# Altium PCB S6.PcbDoc (part 2 of 14) (continued)
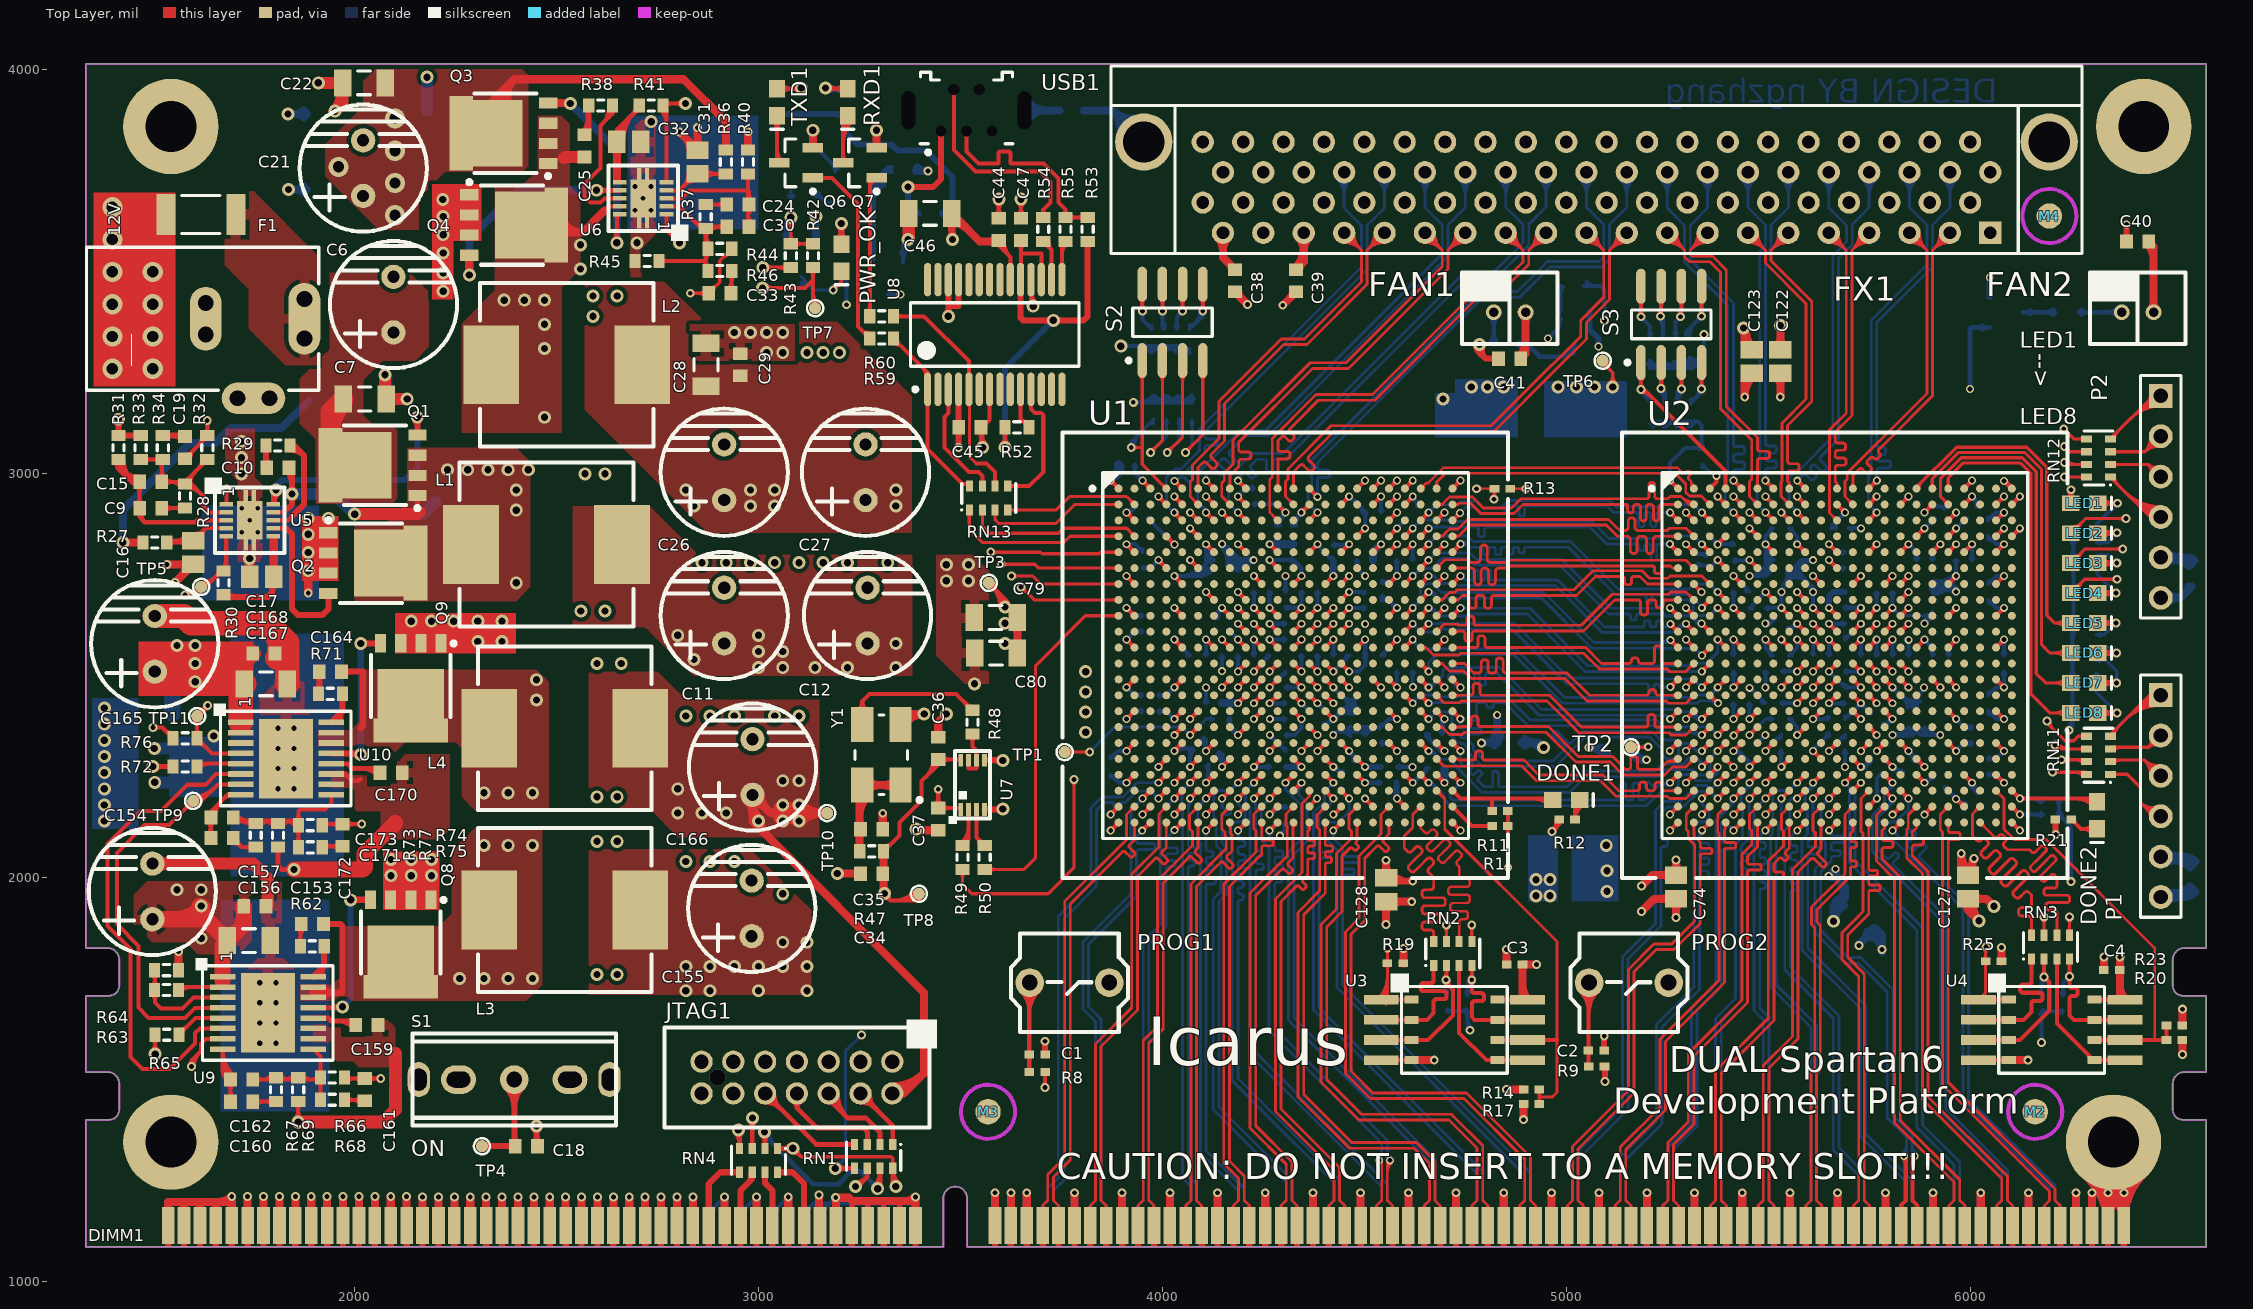
[diagram p0: Top Layer view]
## Footprints (in the part's own frame and the unit in brackets; to place one, negate y for a bottom-side part, rotate by r counter-clockwise, add the part's x,y. Pads: shape width x height; smd on the part's side, far side on the other; paste and mask are expansions set on the pad) (continued)
  Top Layer region: -35.269,-7.99 -34.869,-7.99 -34.869,-7.79 -35.269,-7.79
  Top Layer region: -35.869,-7.79 -36.269,-7.79 -36.269,-7.99 -35.869,-7.99
  Top Layer region: -36.269,-7.99 -35.869,-7.99 -35.869,-7.79 -36.269,-7.79
  Top Layer region: -36.869,-7.79 -37.269,-7.79 -37.269,-7.99 -36.869,-7.99
  Top Layer region: -37.269,-7.99 -36.869,-7.99 -36.869,-7.79 -37.269,-7.79
  Top Layer region: -37.869,-7.79 -38.269,-7.79 -38.269,-7.99 -37.869,-7.99
  Top Layer region: -38.269,-7.99 -37.869,-7.99 -37.869,-7.79 -38.269,-7.79
  Top Layer region: -38.869,-7.79 -39.269,-7.79 -39.269,-7.99 -38.869,-7.99
  Top Layer region: -39.269,-7.99 -38.869,-7.99 -38.869,-7.79 -39.269,-7.79
  Top Layer region: -39.869,-7.79 -40.269,-7.79 -40.269,-7.99 -39.869,-7.99
  Top Layer region: -40.269,-7.99 -39.869,-7.99 -39.869,-7.79 -40.269,-7.79
  Top Layer region: -40.869,-7.789 -41.269,-7.789 -41.269,-7.989 -40.869,-7.989
  Top Layer region: -41.269,-7.989 -40.869,-7.989 -40.869,-7.789 -41.269,-7.789
  Top Layer region: -41.869,-7.79 -42.269,-7.79 -42.269,-7.99 -41.869,-7.99
  Top Layer region: -42.269,-7.99 -41.869,-7.99 -41.869,-7.79 -42.269,-7.79
  Top Layer region: -42.869,-7.79 -43.269,-7.79 -43.269,-7.99 -42.869,-7.99
  Top Layer region: -43.269,-7.99 -42.869,-7.99 -42.869,-7.79 -43.269,-7.79
  Top Layer region: -43.869,-7.79 -44.269,-7.79 -44.269,-7.99 -43.869,-7.99
  Top Layer region: -44.269,-7.99 -43.869,-7.99 -43.869,-7.79 -44.269,-7.79
  Top Layer region: -44.869,-7.79 -45.269,-7.79 -45.269,-7.99 -44.869,-7.99
  Top Layer region: -45.269,-7.99 -44.869,-7.99 -44.869,-7.79 -45.269,-7.79
  Top Layer region: -45.869,-7.79 -46.269,-7.79 -46.269,-7.99 -45.869,-7.99
  Top Layer region: -46.269,-7.99 -45.869,-7.99 -45.869,-7.79 -46.269,-7.79
  Top Layer region: -46.869,-7.79 -47.269,-7.79 -47.269,-7.99 -46.869,-7.99
  Top Layer region: -47.269,-7.99 -46.869,-7.99 -46.869,-7.79 -47.269,-7.79
  Top Layer region: -47.869,-7.79 -48.269,-7.79 -48.269,-7.99 -47.869,-7.99
  Top Layer region: -48.269,-7.99 -47.869,-7.99 -47.869,-7.79 -48.269,-7.79
  Top Layer region: -48.869,-7.79 -49.269,-7.79 -49.269,-7.99 -48.869,-7.99
  Top Layer region: -49.269,-7.99 -48.869,-7.99 -48.869,-7.79 -49.269,-7.79
  Keep-Out Layer lines w0.127: -54.244,22.01 -54.244,10.81 -52.794,10.81 cw(c-52.894,10.06) -52.144,9.96 -52.144,8.46 cw(c-52.794,8.46) -52.794,7.81 -54.244,7.81 -54.244,3.01 -52.794,3.01 cw(c-52.894,2.26) -52.144,2.16 -52.144,0.66 cw(c-52.794,0.66) -52.794,0.01 -54.244,0.01 -54.244,-7.99 -0.319,-7.99 -0.319,-4.94 ; -0.319,-4.94 cw(c0.431,-4.94) 1.181,-4.94 1.181,-7.99 79.106,-7.99 79.106,0.01 77.656,0.01 cw(c77.656,0.66) 77.006,0.66 77.006,2.16 cw(c77.755,2.26) 77.656,3.01 79.106,3.01 79.106,7.81 77.656,7.81 cw(c77.656,8.46) 77.006,8.46 77.006,9.96 cw(c77.756,10.06) 77.656,10.81 79.106,10.81 79.106,22.01
EXBV8V [mm] "Chip Resistor Array, (0603x4); SM; 8 Leads; Body 3.40 x 1.80 mm (LxW max)"
  rect 0.45x0.7 smd: 1(-1.2,-0.75) 2(-0.4,-0.75) 3(0.4,-0.75) 4(1.2,-0.75) 5(1.2,0.75) 6(0.4,0.75) 7(-0.4,0.75) 8(-1.2,0.75)
  silkscreen extent -1.75,-0.9 1.7,0.9
FG484 [mm] "BGA, 484-Leads, Body 23x23mm, Pitch 1mm"
  round 0.5 smd: A1(-10.5,10.5) A2(-9.5,10.5) A3(-8.5,10.5) A4(-7.5,10.5) A5(-6.5,10.5) A6(-5.5,10.5) A7(-4.5,10.5) A8(-3.5,10.5) A9(-2.5,10.5) A10(-1.5,10.5) A11(-0.5,10.5) A12(0.5,10.5) A13(1.5,10.5) A14(2.5,10.5) A15(3.5,10.5) A16(4.5,10.5) A17(5.5,10.5) A18(6.5,10.5) A19(7.5,10.5) A20(8.5,10.5) A21(9.5,10.5) A22(10.5,10.5) AA1(-10.5,-9.5) AA2(-9.5,-9.5) AA3(-8.5,-9.5) AA4(-7.5,-9.5) AA5(-6.5,-9.5) AA6(-5.5,-9.5) AA7(-4.5,-9.5) AA8(-3.5,-9.5) AA9(-2.5,-9.5) AA10(-1.5,-9.5) AA11(-0.5,-9.5) AA12(0.5,-9.5) AA13(1.5,-9.5) AA14(2.5,-9.5) AA15(3.5,-9.5) AA16(4.5,-9.5) AA17(5.5,-9.5) AA18(6.5,-9.5) AA19(7.5,-9.5) AA20(8.5,-9.5) AA21(9.5,-9.5) AA22(10.5,-9.5) AB1(-10.5,-10.5) AB2(-9.5,-10.5) AB3(-8.5,-10.5) AB4(-7.5,-10.5) AB5(-6.5,-10.5) AB6(-5.5,-10.5) AB7(-4.5,-10.5) AB8(-3.5,-10.5) AB9(-2.5,-10.5) AB10(-1.5,-10.5) AB11(-0.5,-10.5) AB12(0.5,-10.5) AB13(1.5,-10.5) AB14(2.5,-10.5) AB15(3.5,-10.5) AB16(4.5,-10.5) AB17(5.5,-10.5) AB18(6.5,-10.5) AB19(7.5,-10.5) AB20(8.5,-10.5) AB21(9.5,-10.5) AB22(10.5,-10.5) B1(-10.5,9.5) B2(-9.5,9.5) B3(-8.5,9.5) B4(-7.5,9.5) B5(-6.5,9.5) B6(-5.5,9.5) B7(-4.5,9.5) B8(-3.5,9.5) B9(-2.5,9.5) B10(-1.5,9.5) B11(-0.5,9.5) B12(0.5,9.5) B13(1.5,9.5) B14(2.5,9.5) B15(3.5,9.5) B16(4.5,9.5) B17(5.5,9.5) B18(6.5,9.5) B19(7.5,9.5) B20(8.5,9.5) B21(9.5,9.5) B22(10.5,9.5) C1(-10.5,8.5) C2(-9.5,8.5) C3(-8.5,8.5) C4(-7.5,8.5) C5(-6.5,8.5) C6(-5.5,8.5) C7(-4.5,8.5) C8(-3.5,8.5) C9(-2.5,8.5) C10(-1.5,8.5) C11(-0.5,8.5) C12(0.5,8.5) C13(1.5,8.5) C14(2.5,8.5) C15(3.5,8.5) C16(4.5,8.5) C17(5.5,8.5) C18(6.5,8.5) C19(7.5,8.5) C20(8.5,8.5) C21(9.5,8.5) C22(10.5,8.5) D1(-10.5,7.5) D2(-9.5,7.5) D3(-8.5,7.5) D4(-7.5,7.5) D5(-6.5,7.5) D6(-5.5,7.5) D7(-4.5,7.5) D8(-3.5,7.5) D9(-2.5,7.5) D10(-1.5,7.5) D11(-0.5,7.5) D12(0.5,7.5) D13(1.5,7.5) D14(2.5,7.5) D15(3.5,7.5) D16(4.5,7.5) D17(5.5,7.5) D18(6.5,7.5) D19(7.5,7.5) D20(8.5,7.5) D21(9.5,7.5) D22(10.5,7.5) E1(-10.5,6.5) E2(-9.5,6.5) E3(-8.5,6.5) E4(-7.5,6.5) E5(-6.5,6.5) E6(-5.5,6.5) E7(-4.5,6.5) E8(-3.5,6.5) E9(-2.5,6.5) E10(-1.5,6.5) E11(-0.5,6.5) E12(0.5,6.5) E13(1.5,6.5) E14(2.5,6.5) E15(3.5,6.5) E16(4.5,6.5) E17(5.5,6.5) E18(6.5,6.5) E19(7.5,6.5) E20(8.5,6.5) E21(9.5,6.5) E22(10.5,6.5) F1(-10.5,5.5) F2(-9.5,5.5) F3(-8.5,5.5) F4(-7.5,5.5) F5(-6.5,5.5) F6(-5.5,5.5) F7(-4.5,5.5) F8(-3.5,5.5) F9(-2.5,5.5) F10(-1.5,5.5) F11(-0.5,5.5) F12(0.5,5.5) F13(1.5,5.5) F14(2.5,5.5) F15(3.5,5.5) F16(4.5,5.5) F17(5.5,5.5) F18(6.5,5.5) F19(7.5,5.5) F20(8.5,5.5) F21(9.5,5.5) F22(10.5,5.5) G1(-10.5,4.5) G2(-9.5,4.5) G3(-8.5,4.5) G4(-7.5,4.5) G5(-6.5,4.5) G6(-5.5,4.5) G7(-4.5,4.5) G8(-3.5,4.5) G9(-2.5,4.5) G10(-1.5,4.5) G11(-0.5,4.5) G12(0.5,4.5) G13(1.5,4.5) G14(2.5,4.5) G15(3.5,4.5) G16(4.5,4.5) G17(5.5,4.5) G18(6.5,4.5) G19(7.5,4.5) G20(8.5,4.5) G21(9.5,4.5) G22(10.5,4.5) H1(-10.5,3.5) H2(-9.5,3.5) H3(-8.5,3.5) H4(-7.5,3.5) H5(-6.5,3.5) H6(-5.5,3.5) H7(-4.5,3.5) H8(-3.5,3.5) H9(-2.5,3.5) H10(-1.5,3.5) H11(-0.5,3.5) H12(0.5,3.5) H13(1.5,3.5) H14(2.5,3.5) H15(3.5,3.5) H16(4.5,3.5) H17(5.5,3.5) H18(6.5,3.5) H19(7.5,3.5) H20(8.5,3.5) H21(9.5,3.5) H22(10.5,3.5) J1(-10.5,2.5) J2(-9.5,2.5) J3(-8.5,2.5) J4(-7.5,2.5) J5(-6.5,2.5) J6(-5.5,2.5) J7(-4.5,2.5) J8(-3.5,2.5) J9(-2.5,2.5) J10(-1.5,2.5) J11(-0.5,2.5) J12(0.5,2.5) J13(1.5,2.5) J14(2.5,2.5) J15(3.5,2.5) J16(4.5,2.5) J17(5.5,2.5) J18(6.5,2.5) J19(7.5,2.5) J20(8.5,2.5) J21(9.5,2.5) J22(10.5,2.5) K1(-10.5,1.5) K2(-9.5,1.5) K3(-8.5,1.5) K4(-7.5,1.5) K5(-6.5,1.5) K6(-5.5,1.5) K7(-4.5,1.5) K8(-3.5,1.5) K9(-2.5,1.5) K10(-1.5,1.5) K11(-0.5,1.5) K12(0.5,1.5) K13(1.5,1.5) K14(2.5,1.5) K15(3.5,1.5) K16(4.5,1.5) K17(5.5,1.5) K18(6.5,1.5) K19(7.5,1.5) K20(8.5,1.5) K21(9.5,1.5) K22(10.5,1.5) L1(-10.5,0.5) L2(-9.5,0.5) L3(-8.5,0.5) L4(-7.5,0.5) L5(-6.5,0.5) L6(-5.5,0.5) L7(-4.5,0.5) L8(-3.5,0.5) L9(-2.5,0.5) L10(-1.5,0.5) L11(-0.5,0.5) L12(0.5,0.5) L13(1.5,0.5) L14(2.5,0.5) L15(3.5,0.5) L16(4.5,0.5) L17(5.5,0.5) L18(6.5,0.5) L19(7.5,0.5) L20(8.5,0.5) L21(9.5,0.5) L22(10.5,0.5) M1(-10.5,-0.5) M2(-9.5,-0.5) M3(-8.5,-0.5) M4(-7.5,-0.5) M5(-6.5,-0.5) M6(-5.5,-0.5) M7(-4.5,-0.5) M8(-3.5,-0.5) M9(-2.5,-0.5) M10(-1.5,-0.5) M11(-0.5,-0.5) M12(0.5,-0.5) M13(1.5,-0.5) M14(2.5,-0.5) M15(3.5,-0.5) M16(4.5,-0.5) M17(5.5,-0.5) M18(6.5,-0.5) M19(7.5,-0.5) M20(8.5,-0.5) M21(9.5,-0.5) M22(10.5,-0.5) N1(-10.5,-1.5) N2(-9.5,-1.5) N3(-8.5,-1.5) N4(-7.5,-1.5) N5(-6.5,-1.5) N6(-5.5,-1.5) N7(-4.5,-1.5) N8(-3.5,-1.5) N9(-2.5,-1.5) N10(-1.5,-1.5) N11(-0.5,-1.5) N12(0.5,-1.5) N13(1.5,-1.5) N14(2.5,-1.5) N15(3.5,-1.5) N16(4.5,-1.5) N17(5.5,-1.5) N18(6.5,-1.5) N19(7.5,-1.5) N20(8.5,-1.5) N21(9.5,-1.5) N22(10.5,-1.5) P1(-10.5,-2.5) P2(-9.5,-2.5) P3(-8.5,-2.5) P4(-7.5,-2.5) P5(-6.5,-2.5) P6(-5.5,-2.5) P7(-4.5,-2.5) P8(-3.5,-2.5) P9(-2.5,-2.5) P10(-1.5,-2.5) P11(-0.5,-2.5) P12(0.5,-2.5) P13(1.5,-2.5) P14(2.5,-2.5) P15(3.5,-2.5) P16(4.5,-2.5) P17(5.5,-2.5) P18(6.5,-2.5) P19(7.5,-2.5) P20(8.5,-2.5) P21(9.5,-2.5) P22(10.5,-2.5) R1(-10.5,-3.5) R2(-9.5,-3.5) R3(-8.5,-3.5) R4(-7.5,-3.5) R5(-6.5,-3.5) R6(-5.5,-3.5) R7(-4.5,-3.5) R8(-3.5,-3.5) R9(-2.5,-3.5) R10(-1.5,-3.5) R11(-0.5,-3.5) R12(0.5,-3.5) R13(1.5,-3.5) R14(2.5,-3.5) R15(3.5,-3.5) R16(4.5,-3.5) R17(5.5,-3.5) R18(6.5,-3.5) R19(7.5,-3.5) R20(8.5,-3.5) R21(9.5,-3.5) R22(10.5,-3.5) T1(-10.5,-4.5) T2(-9.5,-4.5) T3(-8.5,-4.5) T4(-7.5,-4.5) T5(-6.5,-4.5) T6(-5.5,-4.5) T7(-4.5,-4.5) T8(-3.5,-4.5) T9(-2.5,-4.5) T10(-1.5,-4.5) T11(-0.5,-4.5) T12(0.5,-4.5) T13(1.5,-4.5) T14(2.5,-4.5) T15(3.5,-4.5) T16(4.5,-4.5) T17(5.5,-4.5) T18(6.5,-4.5) T19(7.5,-4.5) T20(8.5,-4.5) T21(9.5,-4.5) T22(10.5,-4.5) U1(-10.5,-5.5) U2(-9.5,-5.5) U3(-8.5,-5.5) U4(-7.5,-5.5) U5(-6.5,-5.5) U6(-5.5,-5.5) U7(-4.5,-5.5) U8(-3.5,-5.5) U9(-2.5,-5.5) U10(-1.5,-5.5) U11(-0.5,-5.5) U12(0.5,-5.5) U13(1.5,-5.5) U14(2.5,-5.5) U15(3.5,-5.5) U16(4.5,-5.5) U17(5.5,-5.5) U18(6.5,-5.5) U19(7.5,-5.5) U20(8.5,-5.5) U21(9.5,-5.5) U22(10.5,-5.5) V1(-10.5,-6.5) V2(-9.5,-6.5) V3(-8.5,-6.5) V4(-7.5,-6.5) V5(-6.5,-6.5) V6(-5.5,-6.5) V7(-4.5,-6.5) V8(-3.5,-6.5) V9(-2.5,-6.5) V10(-1.5,-6.5) V11(-0.5,-6.5) V12(0.5,-6.5) V13(1.5,-6.5) V14(2.5,-6.5) V15(3.5,-6.5) V16(4.5,-6.5) V17(5.5,-6.5) V18(6.5,-6.5) V19(7.5,-6.5) V20(8.5,-6.5) V21(9.5,-6.5) V22(10.5,-6.5) W1(-10.5,-7.5) W2(-9.5,-7.5) W3(-8.5,-7.5) W4(-7.5,-7.5) W5(-6.5,-7.5) W6(-5.5,-7.5) W7(-4.5,-7.5) W8(-3.5,-7.5) W9(-2.5,-7.5) W10(-1.5,-7.5) W11(-0.5,-7.5) W12(0.5,-7.5) W13(1.5,-7.5) W14(2.5,-7.5) W15(3.5,-7.5) W16(4.5,-7.5) W17(5.5,-7.5) W18(6.5,-7.5) W19(7.5,-7.5) W20(8.5,-7.5) W21(9.5,-7.5) W22(10.5,-7.5) Y1(-10.5,-8.5) Y2(-9.5,-8.5) Y3(-8.5,-8.5) Y4(-7.5,-8.5) Y5(-6.5,-8.5) Y6(-5.5,-8.5) Y7(-4.5,-8.5) Y8(-3.5,-8.5) Y9(-2.5,-8.5) Y10(-1.5,-8.5) Y11(-0.5,-8.5) Y12(0.5,-8.5) Y13(1.5,-8.5) Y14(2.5,-8.5) Y15(3.5,-8.5) Y16(4.5,-8.5) Y17(5.5,-8.5) Y18(6.5,-8.5) Y19(7.5,-8.5) Y20(8.5,-8.5) Y21(9.5,-8.5) Y22(10.5,-8.5)
  silkscreen extent -12.27,-11.5 11.5,11.5, body extent -11.5,-11.5 11.5,11.5, height 2.6
HDR1X6 [mm] "Connector; Header; 6 Position"
  rect 1.5x1.5 hole 0.9: 1(0,0)
  round 1.5 hole 0.9: 2(2.54,0) 3(5.08,0) 4(7.62,0) 5(10.16,0) 6(12.7,0)
  silkscreen extent -1.27,-1.27 13.97,1.27
IHLP4040 [mm]
  rect 3.5x4.95 smd: 1(-4.75,0) 2(4.75,0)
  silkscreen extent -5.46,-5.15 5.46,5.15
J1-0603 [mm] "Chip Resistor, Body 1.6x0.8mm, IPC High Density"
  rect 0.7x0.9 smd: 1(-0.75,0) 2(0.75,0)
  silkscreen extent -0.2,-0.35 0.2,0.35, body extent -0.85,-0.48 0.85,0.48, height 0.9
KLD-0202 [mm] "DC Power Jack, 2.5mm, KLD Series, PCB Mount"
  oval 2x4.5 all layers, no hole: 1(13.7,0)
  round 1.5 hole 1: 1A(13.7,-1.25) 1B(13.7,1.25) 2A(7.5,-1) 2B(7.5,1) 3A(9.5,-5) 3B(11.5,-5)
  oval 2x4 all layers, no hole: 2(7.5,0)
  oval 4x2 all layers, no hole: 3(10.5,-5)
  silkscreen extent 0,-4.5 14.6,4.5
LFPAK [mm]
  rect 1.15x0.7 smd: 1(-2.801,1.88) 2(-2.801,0.61) 3(-2.801,-0.66) 4(-2.801,-1.93)
  rect 3.1x4.2 smd: 5(0.374,-0.025)
  rect 1.5x4.7 smd: 5(2.674,-0.025)
  silkscreen extent -2.92,-2.53 1.82,2.79
MASK#1 [mm]
  round 1.6 smd: 0(0,0)
MASK#2 [mm]
  round 1.6 smd: 0(0,0)
  Keep-Out Layer circle w0.254: c0,0 r1.7
MOLEX14P [mm]
  round 1.4 hole 0.9: 1(-6,-1) 2(-6,1) 3(-4,-1) 4(-4,1) 5(-2,-1) 6(-2,1) 7(0,-1) 8(0,1) 9(2,-1) 10(2,1) 11(4,-1) 12(4,1) 13(6,-1) 14(6,1)
  silkscreen extent -8.81,-3.66 8.33,3.15
SMA [mm] "DO-214-AC/SMA; 2 C-Bend Leads; Body 5 x 2.7 mm, inc. leads (LxW)"
  rect 2.4x1.8 smd: 1(-2.05,0) 2(2.05,0)
  silkscreen extent -3.65,-1.3 3.95,1.3
SMX2 [mm]
  rect 2.2x1.4 smd: 1(-1.925,-1.175) 2(1.875,-1.175) 3(1.875,1.225) 4(-1.925,1.225)
  silkscreen extent -2.99,-2.51 2.47,1.68
SO8_N [mm] "SOIC, 8-Leads, Body 4.9x3.9mm, Pitch 1.27mm, IPC Medium Density"
  oval 2.2x0.6 smd: 1(-2.4,1.905) 2(-2.4,0.635) 3(-2.4,-0.635) 4(-2.4,-1.905) 5(2.4,-1.905) 6(2.4,-0.635) 7(2.4,0.635) 8(2.4,1.905)
  silkscreen extent -2.52,-2.5 0.9,2.88, body extent -2,-2.5 2,2.5, height 1.75
SON10 [mm]
  rect 0.85x0.28 smd paste+0.07 mask+0.07: 1(-1.475,1) 2(-1.475,0.5) 3(-1.475,0) 4(-1.475,-0.5) 5(-1.475,-1) 6(1.475,-1) 7(1.475,-0.5) 8(1.475,0) 9(1.475,0.5) 10(1.475,1)
  rect 0.28x0.7 smd paste+0 mask+0: 11(-0.25,-1.549) 11(-0.25,1.549) 11(0.25,-1.549) 11(0.25,1.549)
  rect 1.6x2.4 smd paste+0 mask+0: 11(0,0)
  silkscreen extent -2.84,-2.06 2.18,2.69
SOT23_N [mm] "SOT23, 3-Leads, Body 2.9x1.3mm, Pitch 0.95mm, Lead Span 2.3mm, IPC Medium Density"
  rect 1.3x0.6 smd: 1(-1.05,0.95) 2(-1.05,-0.95) 3(1.05,0)
  silkscreen extent -1.17,-1.5 0.7,1.92, body extent -0.7,-1.5 0.7,1.5, height 1.1
SOT765-1 [mm]
  rect 0.3x0.8 smd: 1(-0.75,-1.55) 2(-0.25,-1.55) 3(0.25,-1.55) 4(0.75,-1.55) 5(0.75,1.55) 6(0.25,1.55) 7(-0.25,1.55) 8(-0.75,1.55)
  silkscreen extent -1.52,-2.46 1.1,2.13
SSOP28_N [mm] "SOP, 28-Leads, Body 10.2x5.3mm, Pitch 0.65mm, IPC Medium Density"
  oval 2.1x0.45 smd: 1(-3.45,4.225) 2(-3.45,3.575) 3(-3.45,2.925) 4(-3.45,2.275) 5(-3.45,1.625) 6(-3.45,0.975) 7(-3.45,0.325) 8(-3.45,-0.325) 9(-3.45,-0.975) 10(-3.45,-1.625) 11(-3.45,-2.275) 12(-3.45,-2.925) 13(-3.45,-3.575) 14(-3.45,-4.225) 15(3.45,-4.225) 16(3.45,-3.575) 17(3.45,-2.925) 18(3.45,-2.275) 19(3.45,-1.625) 20(3.45,-0.975) 21(3.45,-0.325) 22(3.45,0.325) 23(3.45,0.975) 24(3.45,1.625) 25(3.45,2.275) 26(3.45,2.925) 27(3.45,3.575) 28(3.45,4.225)
  silkscreen extent -3.57,-5.3 2,5.3, body extent -2.7,-5.3 2.7,5.3, height 1.99
SW_2 [mm]
  round 1.8 hole 1: 1(-2.5,0) 2(2.5,0)
  silkscreen extent -3.68,-3.1 3.68,3.1
SW_3 [mm]
  oval 2.2x1.8 hole 1 slot 1.5 at 0 deg: 1(-3.5,0) 3(3.5,0)
  round 1.8 hole 1: 2(0,0)
  oval 1.4x2.2 hole 1 slot 1.4 at 90 deg: 4(-6,0) 5(6,0)
  silkscreen extent -6.4,-2.9 6.4,2.9
TP [mil]
  round 30 smd paste+0 mask+4: 1(0,0)
  silkscreen extent -20,-20 20,20
TSSOP16_PP [mm]
  rect 1.6x0.35 smd: 1(-2.85,2.275) 2(-2.85,1.625) 3(-2.85,0.975) 4(-2.85,0.325) 5(-2.85,-0.325) 6(-2.85,-0.975) 7(-2.85,-1.625) 8(-2.85,-2.275) 9(2.85,-2.275) 10(2.85,-1.625) 11(2.85,-0.975) 12(2.85,-0.325) 13(2.85,0.325) 14(2.85,0.975) 15(2.85,1.625) 16(2.85,2.275)
  rect 3.4x5 smd paste-0.254 mask-0.254: 17(0,0)
  silkscreen extent -4.55,-2.97 4.09,3.45, body extent -2.25,-2.55 2.25,2.55, height 1.2
WSON6X5#1 [mm]
  rect 0.5x0.889 smd: 1(-1.905,-2.701) 2(-0.635,-2.701) 3(0.635,-2.701) 4(1.905,-2.701) 5(1.905,2.701) 6(0.635,2.701) 7(-0.635,2.701) 8(-1.905,2.701)
  rect 0.6x2.2 smd: 1(-1.905,-4.6) 2(-0.635,-4.6) 3(0.635,-4.6) 4(1.905,-4.6) 5(1.905,4.6) 6(0.635,4.6) 7(-0.635,4.6) 8(-1.905,4.6)
  Top Layer lines w0.254: 1.905,-4.6 1.905,-2.701 1.905,-2.625 ; 0.635,-4.6 0.635,-2.701 0.635,-2.625 ; -0.635,-4.6 -0.635,-2.701 -0.635,-2.625 ; -1.905,-4.6 -1.905,-2.625 ; 1.905,2.625 1.905,2.701 1.905,4.6 ; 0.635,2.625 0.635,4.6 ; -0.635,2.625 -0.635,2.701 -0.635,4.6 ; -1.905,2.625 -1.905,2.701 -1.905,4.6
  silkscreen extent -3.56,-4.01 2.73,3.33
WSON6X5#2 [mm]
  rect 0.5x0.889 smd: 1(-1.905,-2.701) 2(-0.635,-2.701) 3(0.635,-2.701) 4(1.905,-2.701) 5(1.905,2.701) 6(0.635,2.701) 7(-0.635,2.701) 8(-1.905,2.701)
  rect 0.6x2.2 smd: 1(-1.905,-4.6) 2(-0.635,-4.6) 3(0.635,-4.6) 4(1.905,-4.6) 5(1.905,4.6) 6(0.635,4.6) 7(-0.635,4.6) 8(-1.905,4.6)
  Top Layer lines w0.254: 1.905,-4.6 1.905,-2.701 1.905,-2.625 ; 0.635,-4.6 0.635,-2.701 0.635,-2.625 ; -0.635,-4.6 -0.635,-2.701 -0.635,-2.625 ; -1.905,-4.6 -1.905,-2.625 ; 1.905,2.625 1.905,4.6 ; 0.635,2.625 0.635,4.6 ; -0.635,2.625 -0.635,2.701 -0.635,4.6 ; -1.905,2.625 -1.905,2.701 -1.905,4.6
  silkscreen extent -3.56,-4.01 2.73,3.33

## Part data
12V: "Low Voltage Power Supply Connector"
C1 C2 C3 C4 C5 C7 C8 C9 C10 C13 C14 C15 C16 C17 C18 C19 C20 C22 C23 C24 C25 C28 C29 C30 C31 C32 C33 C34 C35 C36 C37 C38 C39 C40 C41 C42 C43 C44 C45 C46 C47 C48 C49 C50 C51 C52 C53 C54 C55 C56 C57 C58 C59 C60 C61 C62 C63 C64 C65 C66 C67 C68 C69 C70 C71 C72 C73 C74 C75 C76 C77 C79 C80 C81 C82 C83 C84 C85 C86 C87 C88 C89 C90 C91 C92 C93 C94 C95 C96 C97 C98 C99 C100 C101 C102 C103 C104 C105 C106 C107 C108 C109 C110 C111 C112 C113 C114 C115 C116 C117 C118 C119 C120 C121 C122 C123 C124 C125 C126 C127 C128 C129 C130 C131 C133 C134 C135 C136 C137 C138 C139 C140 C141 C142 C143 C144 C145 C146 C147 C148 C149 C150 C151 C152 C153 C156 C157 C158 C159 C160 C161 C162 C163 C164 C167 C168 C169 C170 C171 C172 C173: library part "Cap Semi", "Capacitor (Semiconductor SIM Model)"
C6 C11 C12 C21 C26 C27: library part "Cap Pol1", "Polarized Capacitor (Radial)"
C78 C132 C154 C155 C165 C166: library part "Cap Pol3", "Polarized Capacitor (Surface Mount)"
D1 D2 D3 D4: library part 10MQ060N, "Schottky Rectifier"
DONE1 DONE2 LED1 LED2 LED3 LED4 LED5 LED6 LED7 LED8 PWR_OK RXD1 TXD1: "Typical BLUE SiC LED"
F1: library part "Fuse 2"
FAN1 FAN2: "Header, 2-Pin"
JTAG1: "Header, 7-Pin, Dual row"
L1 L2 L3 L4: library part Inductor, "Inductor"
P1 P2: "Header, 6-Pin"
PROG1 PROG2: "Switch"
Q1 Q2 Q3 Q4 Q8 Q9: library part HAT216X
Q5 Q6 Q7 Q11 Q12 Q13: library part 2N7002, "N-channel Enhancement Mode Field-effect Transistor"
Q10: "NPN Switching Transistor"
R1 R2 R3 R4 R5 R6 R7 R8 R9 R10 R11 R12 R13 R14 R15 R16 R17 R18 R19 R20 R21 R22 R23 R24 R25 R26 R27 R28 R29 R30 R31 R32 R33 R34 R35 R36 R37 R38 R39 R40 R41 R42 R43 R44 R45 R46 R47 R48 R49 R50 R51 R52 R53 R54 R55 R56 R57 R58 R59 R60 R61 R62 R63 R64 R65 R66 R67 R68 R69 R70 R71 R72 R73 R74 R75 R76 R77 R79 R80 R81 R82 R83: library part Res3, "Resistor"
RN1 RN2 RN3 RN4 RN5 RN6 RN7 RN8 RN9 RN10 RN11 RN12 RN13: library part RES4PACK
S1: "SPDT Subminiature Toggle Switch, Right Angle Mounting, Vertical Actuation"
S2 S3: "DIP Switch"
U1 U2: "Spartan-6 LX 1.2V FPGA, 338 User I/Os, 484-Ball Fine-Pitch BGA (1.0mm Pitch), Speed Grade 3N, Commercial Grade"
U8: library part PL2303
USB1: "USB On-The-Go (OTG) Mini-B Receptacle, Right Angle, Thru-Hole, 0.80mm (.031\") Pitch, Solder Tails & Shell Tabs with Dimples"
Y1: "Surface Mount Quartz Crystal"

## Free pads (board coordinates)
  round 236.22 hole 125.98: 0(1545,1345) 0(1545,3860) 0(6355,1345) 0(6430,3860)

## Via types
v1: diameter 19.68, hole 11.81, Top Layer to Bottom Layer, tented both sides, 469 vias
v2: diameter 32, hole 18, Top Layer to Bottom Layer, tented both sides, 257 vias
v3: diameter 22, hole 12, Top Layer to Bottom Layer, tented both sides, 185 vias
v4: diameter 25.59, hole 12.99, Top Layer to Bottom Layer, tented bottom, 16 vias
v5: diameter 50, hole 28, Top Layer to Bottom Layer, tented both sides, 15 vias
v6: diameter 23.62, hole 11.81, Top Layer to Bottom Layer, tented bottom, 10 vias
v7: diameter 20, hole 12, Top Layer to Bottom Layer, tented both sides, 5 vias
v8: diameter 21.65, hole 11.81, Top Layer to Bottom Layer, tented both sides, 2 vias
v9: diameter 39.37, hole 39.37, Top Layer to Bottom Layer, 1 vias

## Nets (pads, with @x,y where several pads share a name; then routed paths per layer and width w, separated by ;. In a path a pad name is that pad's centre, name@x,y a point inside that pad or via, vN(x,y) a via of type N, cw(c..) or ccw(c..) an arc to the next point about the centre after c; other vN are vias at no path point)
CLK: R48.1 U7.6 U7.7 | length 164.1
  Top Layer w10: U7.7@3520.16,2291.02 3520,2290.87 3520,2270 3540,2270 3539.84,2270.16 U7.6@3539.84,2291.02 3540,2291.18 3540,2315 3530,2325 R48.1@3530,2355.47 ; R48.1@3523.79,2349.26 cw(c3508.8,2334.28) 3530,2334.28 cw(c3551.2,2334.28) R48.1@3536.21,2349.26
DIMM_FPGA1_1_N: DIMM1.53 U1.AB2 | length 1177.1
  Top Layer w7: DIMM1.53@3737.36,1179.07 ccw(c3732.86,1188) 3742.86,1188 ; DIMM1.53@3742.86,1138.6 3742.86,1188 ; DIMM1.53@3748.36,1179.07 cw(c3752.86,1188) 3742.86,1188 ; U1.AB2@3926.5,2132.13 cw(c3915.67,2121.3) 3930.98,2121.3 cw(c3946.3,2121.3) U1.AB2@3935.47,2132.13 ; U1.AB2@3930.98,2136.61 3930.98,2093.98 3925.68,2088.68 3918.79,2081.79 ccw(c3922.5,2078.07) 3918.79,2074.36 3930.3,2062.85 cw(c3926.59,2059.14) 3930.3,2055.42 3927.12,2052.24 cw(c3923.41,2055.95) 3919.69,2052.24 3908.18,2063.76 ccw(c3904.47,2060.04) 3900.76,2063.76 3861.5,2024.5 3772,1935 3772,1300.83 3730.18,1259 3730.18,1200.68 3742.86,1188
DIMM_FPGA1_1_P: DIMM1.52 U1.AA2 | length 1177.8
  Top Layer w7: DIMM1.52@3697.99,1179.07 ccw(c3693.49,1188) 3703.49,1188 ; DIMM1.52@3703.49,1138.6 3703.49,1188 ; DIMM1.52@3708.99,1179.07 cw(c3713.49,1188) 3703.49,1188 ; U1.AA2@3924.64,2175.98 cw(c3909.33,2175.98) 3920.16,2165.16 cw(c3930.98,2154.33) U1.AA2@3930.98,2169.64 ; U1.AA2@3930.98,2175.98 3911,2156 3911,2093.8 3758,1940.8 3758,1306.62 3716.18,1264.8 3716.18,1200.68 3703.49,1188
DIMM_FPGA1_2_N: DIMM1.176 U1.AB3 | length 1244.3
  Top Layer w10: v1(3950,2116.26) U1.AB3@3970.35,2136.61 ; v1@3950,2121.1 ccw(c3950,2132.79) 3958.27,2124.53 ccw(c3966.53,2116.26) v1@3954.84,2116.26 ; U1.AB3@3965.51,2136.61 cw(c3953.82,2136.61) 3962.09,2128.35 cw(c3970.35,2120.08) U1.AB3@3970.35,2131.77
  Bottom Layer w7: DIMM1.176@3855.47,1179.07 ccw(c3850.97,1188) 3860.97,1188 ; DIMM1.176@3860.97,1138.6 3860.97,1188 ; DIMM1.176@3866.47,1179.07 cw(c3870.97,1188) 3860.97,1188 ; v1@3943.66,2116.26 cw(c3928.35,2116.26) 3939.17,2105.43 cw(c3950,2094.61) v1@3950,2109.92 ; v1(3950,2116.26) 3936,2102.26 3936,2092 3936,2090.5 ccw(c3942,2090.5) 3942,2084.5 3976,2084.5 cw(c3976,2078.5) 3982,2078.5 3982,2075.5 cw(c3976,2075.5) 3976,2069.5 3942,2069.5 ccw(c3942,2063.5) 3936,2063.5 3936,2059 3936,1954 3817,1835 3817,1680.8 3848.28,1649.51 3848.28,1200.68 3860.97,1188
DIMM_FPGA1_2_P: DIMM1.175 U1.Y3 | length 1247.2
  Top Layer w10: v1(3950.67,2195.67) U1.Y3@3970.35,2215.35 ; v1@3950.67,2200.51 ccw(c3950.67,2212.2) 3958.94,2203.94 ccw(c3967.2,2195.67) v1@3955.51,2195.67 ; U1.Y3@3965.51,2215.35 cw(c3953.82,2215.35) 3962.09,2207.09 cw(c3970.35,2198.82) U1.Y3@3970.35,2210.51
  Bottom Layer w7: DIMM1.175@3816.1,1179.07 ccw(c3811.6,1188) 3821.6,1188 ; DIMM1.175@3821.6,1138.6 3821.6,1188 ; DIMM1.175@3827.1,1179.07 cw(c3831.6,1188) 3821.6,1188 ; v1@3944.33,2195.67 cw(c3929.01,2195.67) 3939.84,2184.84 cw(c3950.67,2174.01) v1@3950.67,2189.33 ; v1(3950.67,2195.67) 3922,2167 3922,1959.8 3803,1840.8 3803,1675 3834.28,1643.71 3834.28,1200.68 3821.6,1188
DIMM_FPGA1_3_N: DIMM1.56 U1.AB4 | length 1161.1
  Top Layer w7: DIMM1.56@3855.47,1179.07 ccw(c3850.97,1188) 3860.97,1188 ; DIMM1.56@3860.97,1138.6 3860.97,1188 ; DIMM1.56@3866.47,1179.07 cw(c3870.97,1188) 3860.97,1188 ; U1.AB4@4005.24,2132.13 cw(c3994.41,2121.3) 4009.72,2121.3 cw(c4025.04,2121.3) U1.AB4@4014.21,2132.13 ; U1.AB4@4009.72,2136.61 4009.72,2074.72 4001.5,2066.5 3999.91,2064.91 ccw(c4003.62,2061.2) 3999.91,2057.48 4011.29,2046.1 cw(c4007.58,2042.39) 4011.29,2038.68 4008.11,2035.5 cw(c4004.4,2039.21) 4000.68,2035.5 3988.18,2048 ccw(c3985.59,2045.41) 3983,2048 3938,2003 3938,1672 3848.28,1582.29 3848.28,1200.68 3860.97,1188
DIMM_FPGA1_3_P: DIMM1.55 U1.AA4 | length 1161.5
  Top Layer w7: DIMM1.55@3816.1,1179.07 ccw(c3811.6,1188) 3821.6,1188 ; DIMM1.55@3821.6,1138.6 3821.6,1188 ; DIMM1.55@3827.1,1179.07 cw(c3831.6,1188) 3821.6,1188 ; U1.AA4@4003.38,2175.98 cw(c3988.07,2175.98) 3998.9,2165.16 cw(c4009.72,2154.33) U1.AA4@4009.72,2169.64 ; U1.AA4@4009.72,2175.98 3991.38,2157.64 3991.38,2076.18 3924,2008.8 3924,1677.8 3834.28,1588.08 3834.28,1200.68 3821.6,1188
DIMM_FPGA1_4_N: DIMM1.179 U1.AB5 | length 1204.9
  Top Layer w10: v1(4030,2117.52) U1.AB5@4049.09,2136.61 ; v1@4030,2122.36 ccw(c4030,2134.05) 4038.27,2125.79 ccw(c4046.53,2117.52) v1@4034.84,2117.52 ; U1.AB5@4044.25,2136.61 cw(c4032.56,2136.61) 4040.83,2128.35 cw(c4049.09,2120.08) U1.AB5@4049.09,2131.77
  Bottom Layer w7: DIMM1.179@3973.58,1179.07 ccw(c3969.08,1188) 3979.08,1188 ; DIMM1.179@3979.08,1138.6 3979.08,1188 ; DIMM1.179@3984.58,1179.07 cw(c3989.08,1188) 3979.08,1188 ; v1@4023.66,2117.52 cw(c4008.35,2117.52) 4019.17,2106.69 cw(c4030,2095.87) v1@4030,2111.18 ; v1(4030,2117.52) 4009,2096.52 4009,2089.02 4009,2080.02 ccw(c4015,2080.02) 4015,2074.02 4032,2074.02 cw(c4032,2068.02) 4038,2068.02 4038,2065.02 cw(c4032,2065.02) 4032,2059.02 4015,2059.02 ccw(c4015,2053.02) 4009,2053.02 4009,2050 4009,2048.5 ccw(c4015,2048.5) 4015,2042.5 4026.54,2042.5 cw(c4026.54,2036.5) 4032.54,2036.5 4032.54,2033.5 cw(c4026.54,2033.5) 4026.54,2027.5 4015,2027.5 ccw(c4015,2021.5) 4009,2021.5 4009,2011 4009,1878 3966.39,1835.39 3966.39,1200.68 3979.08,1188
DIMM_FPGA1_4_P: DIMM1.178 U1.Y5 | length 1204.9
  Top Layer w10: v1(4029.41,2195.67) U1.Y5@4049.09,2215.35 ; v1@4029.41,2200.51 ccw(c4029.41,2212.2) 4037.68,2203.94 ccw(c4045.94,2195.67) v1@4034.25,2195.67 ; U1.Y5@4044.25,2215.35 cw(c4032.56,2215.35) 4040.83,2207.09 cw(c4049.09,2198.82) U1.Y5@4049.09,2210.51
  Bottom Layer w7: DIMM1.178@3934.21,1179.07 ccw(c3929.71,1188) 3939.71,1188 ; DIMM1.178@3939.71,1138.6 3939.71,1188 ; DIMM1.178@3945.21,1179.07 cw(c3949.71,1188) 3939.71,1188 ; v1@4023.07,2195.67 cw(c4007.75,2195.67) 4018.58,2184.84 cw(c4029.41,2174.01) v1@4029.41,2189.33 ; v1(4029.41,2195.67) 3995,2161.26 3995,1883.8 3952.39,1841.19 3952.39,1200.68 3939.71,1188
DIMM_FPGA1_5_N: DIMM1.59 U1.AB6 | length 1150.1
  Top Layer w7: DIMM1.59@3973.58,1179.07 ccw(c3969.08,1188) 3979.08,1188 ; DIMM1.59@3979.08,1138.6 3979.08,1188 ; DIMM1.59@3984.58,1179.07 cw(c3989.08,1188) 3979.08,1188 ; U1.AB6@4083.98,2132.13 cw(c4073.15,2121.3) 4088.46,2121.3 cw(c4103.78,2121.3) U1.AB6@4092.95,2132.13 ; U1.AB6@4088.46,2136.61 4088.46,2073.46 4084,2069 4082.52,2067.52 ccw(c4085.98,2064.05) 4082.52,2060.59 4096.12,2046.98 cw(c4092.66,2043.51) 4096.12,2040.05 4093.15,2037.08 cw(c4089.69,2040.54) 4086.22,2037.08 4071.8,2051.5 ccw(c4069.15,2048.85) 4066.5,2051.5 4002,1987 4002,1626 3966.39,1590.39 3966.39,1200.68 3979.08,1188
DIMM_FPGA1_5_P: DIMM1.58 U1.AA6 | length 1151
  Top Layer w7: DIMM1.58@3934.21,1179.07 ccw(c3929.71,1188) 3939.71,1188 ; DIMM1.58@3939.71,1138.6 3939.71,1188 ; DIMM1.58@3945.21,1179.07 cw(c3949.71,1188) 3939.71,1188 ; U1.AA6@4082.12,2175.98 cw(c4066.81,2175.98) 4077.64,2165.16 cw(c4088.46,2154.33) U1.AA6@4088.46,2169.64 ; U1.AA6@4088.46,2175.98 4067.44,2154.96 4067.44,2121.03 4074.46,2114 4074.46,2079.26 3988,1992.8 3988,1631.8 3952.39,1596.19 3952.39,1200.68 3939.71,1188